# KiCad board Scan_Head_Set-Relay_board.kicad_pcb (continued)
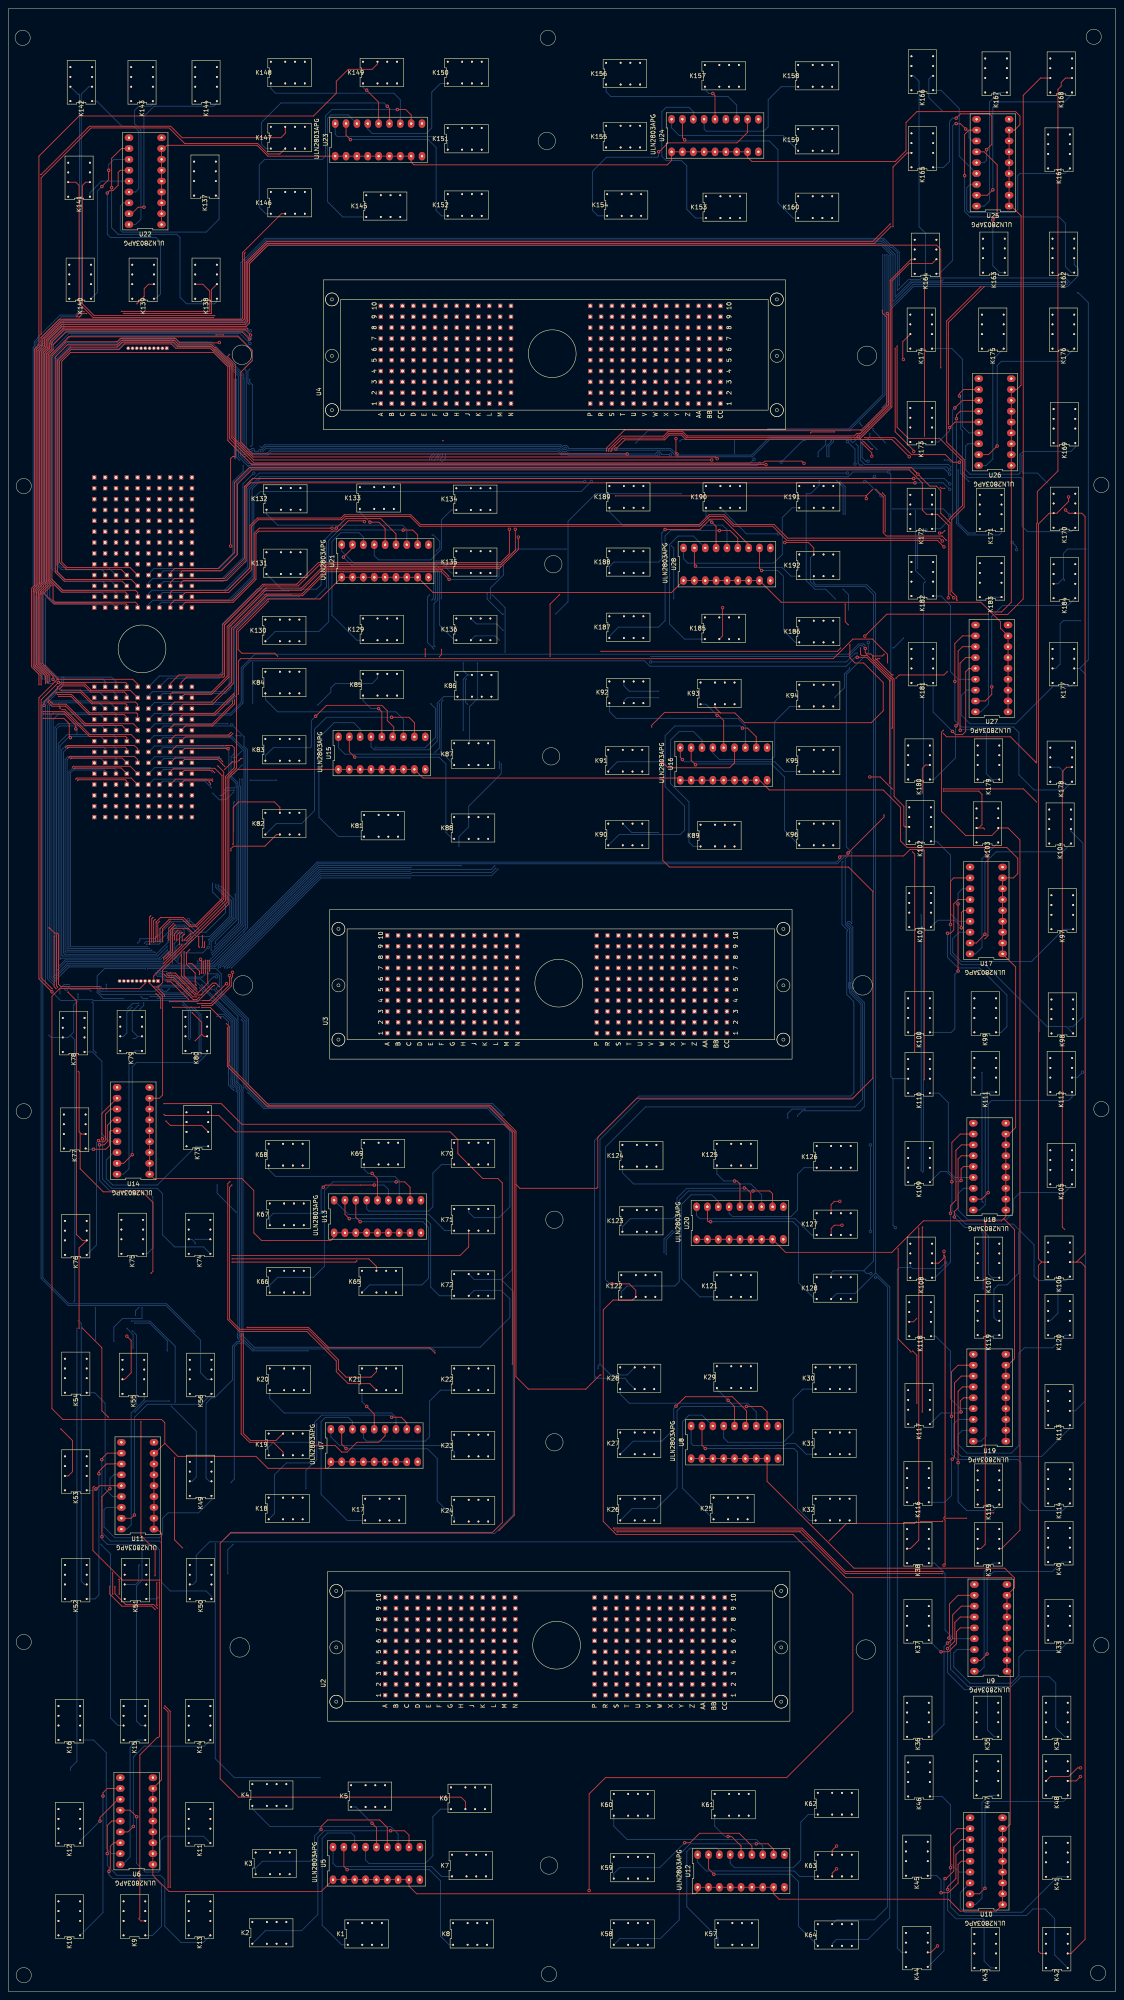
[diagram p0: board, top side]
## Routing (per net, layer and track width the routed paths; a pad name or vN(x,y) marks a point on that pad's centre or on a via; arc(x,y) is an arc through that point) (continued)
  Bottom w0.2: U1.R5 32.77,303.28 33.67,304.18 50.63,304.18 51.63,305.18 v2(51.63,319.62) ; v2(202.34,365.79) 202.34,365.35 v2(205.23,362.46) ; v2(213.55,192.09) 213.61,192.15 v2(213.61,251.97) ; v2(206.05,406.21) 206.05,371.41 201.3,366.65 ; v2(58.93,361.57) 59.2,361.3 59.28,361.3 59.93,361.95 129.29,361.95 129.71,361.53 130.01,361.83 130.59,361.83 131,361.42 131,361.1 155,361.1 156.54,359.56 173.91,359.56 178.17,363.81 196.8,363.81 197.39,363.22 197.87,363.22 201.3,366.65 ; 201.3,366.65 201.17,366.52 v2(201.17,366.27)
IO74: length 605.5
  Top w0.2: v4(200.15,362.71) 201.87,360.99 v4(202.18,360.99) ; v4(207.01,413) 207.01,426.97 210.31,430.28 K165.21
  +12V w0.2: v1(202.76,360.36) 202.76,360.42 v4(202.18,360.99) ; K37.21 211.33,85.6 212.09,86.36 212.09,191.97 v1(212.9,192.79) ; v1(57.85,356.43) 57.85,354.84 v1(57.59,354.58) ; v1(199.58,363.72) 199.58,363.28 v4(200.15,362.71) ; v4(207.01,413) 207.01,395.22 204.96,393.17 204.96,392.39 205.49,391.86 205.49,371.86 199.12,365.49 v1(198.88,365.49) 196.9,365.49 195.32,363.91 159.5,363.91 158.5,364.91 128.83,364.91 128.12,364.21 128.12,364.15 125.96,361.99 62.79,361.99 v1(62.74,362.04)
  AGND w0.2: 209.3,252.73 209.3,229.11 209.8,228.6 211.58,228.6 212.9,227.28 v1(212.9,192.79) ; 209.3,252.73 209.04,252.98 209.04,355.15 205.65,358.54 203.2,358.54 202.76,358.98 v1(202.76,360.36) ; 209.3,252.73 209.55,252.48 K101.21 ; v1(198.88,365.49) 198.88,364.42 v1(199.58,363.72) ; v2(66.21,326.9) 67.82,326.9 72.94,332.02 72.94,341.45 71.06,343.33 58.67,343.33 57.49,344.51 57.49,354.35 57.59,354.45 v1(57.59,354.58) ; v1(57.85,356.43) 60.13,358.71 60.13,359.43 v1(62.74,362.04)
  Bottom w0.2: U1.R4 35.31,303.02 36.07,303.78 50.8,303.78 52.07,305.05 52.07,319.53 59.44,326.9 v2(66.21,326.9)
IO75: length 588.4
  Top w0.2: v4(114.74,333.51) 73.61,333.51 68.52,328.42 60.2,328.42 60.17,328.45 51.16,319.44 51.16,307.76 47.44,304.04 38.35,304.04 37.85,303.53 U1.R3
  +12V w0.2: 205.74,364.74 206.36,365.36 206.36,392.28 v1(206.76,392.68) ; 205.74,364.74 205.12,364.12 200.41,364.12 199.48,365.04 197.02,365.04 195.49,363.51 159.26,363.51 v1(158.9,363.87) ; 205.74,364.74 205.74,363.69 v1(206.29,363.14) ; v1(228.85,325.06) 229.62,324.3 229.62,322.66 229.6,322.66 229.49,322.78 229.12,322.78 228.85,322.51 228.85,322.14 229.12,321.88 229.19,321.88 229.2,321.86 229.62,321.86 229.62,305.79 229.42,305.6 229.42,305.02 229.62,304.83 229.62,286.82 229.24,286.45 229.24,229.74 K99.11 230.12,226.82 230.12,64.52 K35.11 ; v4(114.74,333.51) 114.74,334.71 120.61,340.58 127.45,340.58 138.07,351.2 138.07,354.58 140.3,356.82 v1(140.9,356.82) ; v1(141.48,359.92) 141.48,358.14 v1(141.22,357.89)
  AGND w0.2: v1(140.9,356.82) 140.9,357.56 v1(141.22,357.89) ; v1(206.29,363.14) 209.51,359.92 217.48,359.92 v2(219.01,358.39) ; K163.11 226.57,399.03 212.6,399.03 206.76,393.19 v1(206.76,392.68) ; v1(141.48,359.92) 141.69,359.7 146.37,359.7 146.37,359.89 146.78,360.3 148.85,360.3 150.93,362.38 156.64,362.38 157.06,362.8 v6(157.11,362.8) ; v2(226.26,341.32) 226.53,341.32 228.48,339.37 228.48,338.92 228.85,338.54 v1(228.85,325.06) ; v2(220.53,357.89) 220.54,357.89 v2(222.32,356.11)
  Bottom w0.2: v2(222.32,356.11) 222.27,356.06 222.27,343.7 224.65,341.32 v2(226.26,341.32) ; v2(219.01,358.39) 220.02,358.39 v2(220.53,357.89) ; v6(157.11,362.8) 157.53,363.22 158.24,363.22 v1(158.9,363.87)
IO76: length 615.9
  Top w0.2: v11(119.32,340.36) 119.32,337.45 115.37,333.5 115.19,333.5 115.19,333.32 114.93,333.06 114.56,333.06 114.51,333.11 73.77,333.11 68.58,327.91 60.2,327.91 51.56,319.28 51.56,307.59 47.54,303.57 41.19,303.57 U1.R2 ; v9(205.66,392.68) 205.96,392.38 205.96,371.17 199.42,364.64 ; 199.42,364.64 199.38,364.59 v4(199.23,364.59) ; 199.42,364.64 198.58,364.64 197.98,364.04 158.81,364.04 157.81,365.04 154.35,365.04 153.3,363.98 143.51,363.98 140.47,360.95 v4(140.47,360.48) ; v5(222.57,357.89) 221.04,357.89 219.26,359.66 211.33,359.66 207.37,363.62 200.46,363.62 v4(200.41,363.67)
  +12V w0.2: v1(140.01,358.05) 140.01,358.51 140.56,359.06 140.47,359.14 v4(140.47,360.48) ; v1(138.94,356.27) 138.94,356.11 137.67,354.84 137.67,351.36 127.28,340.98 119.93,340.98 v11(119.32,340.36) ; v4(200.41,363.67) 200.29,363.67 199.37,364.59 v4(199.23,364.59) ; v1(227.58,213.42) 227.58,227.08 226.82,227.84 K99.21
  AGND w0.2: v1(227.58,213.42) 227.58,177.93 v2(227.9,177.61) ; v1(140.01,358.05) 139.96,358.1 139.64,358.1 139.56,358.02 139.56,356.89 v1(138.94,356.27) ; v2(228.09,164.4) 228.09,63.75 227.33,62.99 K35.21 ; v2(224.79,353.37) 224.84,353.42 235.86,353.42 237.13,352.15 237.13,339.69 235.23,337.79 235.23,326.11 233.34,324.21 223.18,324.21 221.13,322.16 221.13,307.59 221.46,307.59 222.19,306.87 222.19,298.64 221.52,297.97 223.86,295.63 223.86,294.41 221.13,291.68 221.13,252.73 222.76,251.1 222.76,249.68 223.45,249.68 223.69,249.44 223.69,247.63 222.86,246.8 222.84,246.8 221.49,245.44 221.49,228.35 222,227.84 K99.21 ; K163.21 227.33,405.64 221.49,399.8 212.34,399.8 205.66,393.11 v9(205.66,392.68)
  Bottom w0.2: v2(228.09,164.4) 228.09,177.42 v2(227.9,177.61) ; v5(222.57,357.89) 222.87,357.59 222.87,355.3 v2(224.79,353.37)
IO77: length 574.3
  Top w0.2: v9(210.82,359.16) 206.76,363.22 199.39,363.22 199.26,363.35 ; K164.11 216.15,404.37 210.82,404.37 206.76,400.3 206.76,370.84 199.26,363.35 ; U1.P2 40.39,306.32 41.66,307.59 50.29,307.59 50.55,307.85 50.55,319.79 59.69,328.93 67.82,328.93 72.9,334.01 115.32,334.01 118.62,337.31 v11(118.62,342.2) ; 199.26,363.35 199.14,363.22 158.5,363.22 157.48,364.24 154.69,364.24 153.57,363.12 144.25,363.12 v11(142.12,361)
  +12V w0.2: v11(142.12,361) 142.06,360.93 138.18,360.93 136.65,359.41 v10(136.65,358.2) ; v10(136.35,355.54) 136.65,355.24 136.65,351.48 127.37,342.2 v11(118.62,342.2)
  AGND w0.2: 216.92,227.84 218.19,229.11 218.19,326.39 219.06,327.26 219.06,353.71 213.61,359.16 v9(210.82,359.16) ; 216.92,227.84 218.27,226.48 218.27,195.07 216.75,193.55 214.38,193.55 212.85,192.02 212.85,64.26 214.12,62.99 K36.11 ; 216.92,227.84 K100.11 ; v10(136.65,358.2) 136.65,355.84 v10(136.35,355.54)
IO78: length 558.6
  Top w0.2: v4(199.64,362.46) 202.04,360.06 v9(202.04,359.3) ; 141.22,360.93 141.22,360.68 v4(140.97,360.43) ; U1.P3 37.85,306.07 39.88,308.1 50.04,308.1 50.15,308.21 50.15,319.95 59.52,329.33 67.46,329.33 72.54,334.41 115.15,334.41 117.22,336.48 v11(117.22,342.2) ; 199.11,363.76 198.97,363.62 158.66,363.62 157.65,364.64 154.52,364.64 153.41,363.52 144.08,363.52 144.04,363.47 143.69,363.47 141.91,361.7 141.83,361.7 141.22,361.09 141.22,360.83 ; 199.11,363.76 198.92,363.94 v11(198.87,363.94) ; 199.11,363.76 206.36,371.01 206.36,400.47 211.27,405.38 K164.21
  +12V w0.2: v11(117.22,342.2) 117.22,342.52 117.35,342.65 117.35,342.75 130.19,355.6 134.62,355.6 v10(135.13,355.09) ; v1(140.46,357.83) 140.46,358.39 140.97,358.9 v4(140.97,360.43) ; v11(198.87,363.94) 198.87,363.24 v4(199.64,362.46)
  AGND w0.2: v9(202.04,359.3) 202.04,359.04 202.95,358.14 205.49,358.14 208.53,355.09 208.53,228.35 209.04,227.84 K100.21 211.58,227.84 212.45,226.97 212.45,64.41 212.34,64.3 212.34,64.26 211.07,62.99 K36.21 ; v1(140.46,357.83) 140.46,356.93 138.37,354.84 135.38,354.84 v10(135.13,355.09)
IO79: length 675.7
  AGND w0.2: 248.67,227.58 247.9,228.35 247.9,346.23 248.8,347.12 248.8,351.91 245.66,355.05 222.32,355.05 220.56,356.8 v2(220.53,356.8) ; 248.67,227.58 K98.11 ; 248.67,227.58 247.16,226.08 247.16,63.23 247.4,62.99 K34.11 ; v2(65.53,327.72) 65.56,327.75 67.54,327.75 72.14,332.35 72.14,341.12 70.87,342.39 58.42,342.39 56.03,344.79 56.03,354.37 56.31,354.65 56.31,355.36 56.17,355.49 56.17,357.69 v2(58.93,360.45)
  Bottom w0.2: K162.11 249.43,404.11 250.44,403.1 250.44,401.57 247.9,399.03 211.84,399.03 206.5,393.7 206.5,370.59 199.39,363.47 ; v2(220.53,356.8) 220.53,356.81 219.96,357.38 200.41,357.38 199.39,358.39 199.39,363.47 ; 199.39,363.47 198.69,363.47 197.78,362.57 197.45,362.57 197.21,362.8 197.21,362.83 196.63,363.41 178.33,363.41 174.08,359.16 156.38,359.16 154.83,360.7 130.87,360.7 130.59,360.43 129.68,360.43 128.96,361.15 60.26,361.15 59.61,360.5 58.98,360.5 v2(58.93,360.45) ; v2(65.53,327.72) 65.48,327.77 58.53,327.77 50.55,319.79 50.55,308.61 49.28,307.34 37.34,307.34 U1.P4
IO80: length 666.5
  +12V w0.2: v1(144.02,362.2) 138.31,362.2 135.98,359.87 135.55,359.87 134.17,358.49 v1(134.17,358.45) ; v1(134.11,356.93) 134.1,356.93 134.04,356.87 87.63,356.87 87.52,356.98 57.51,356.98 57.09,356.56 v1(57.09,354.58)
  AGND w0.2: v1(134.11,356.93) 134.17,356.98 v1(134.17,358.45) ; v2(60.45,328.22) 61.4,327.27 65.95,327.27 66.03,327.35 66.4,327.35 66.45,327.3 67.65,327.3 72.54,332.18 72.54,341.29 70.89,342.93 58.45,342.93 57.09,344.29 v1(57.09,354.58) ; v2(237.18,359.41) 237.18,398.33 235.97,399.54 ; 235.97,399.54 242.06,405.64 K162.21 ; 235.97,399.54 228.85,399.54 225.3,395.99 225.3,386.9 221.32,382.92 211.67,382.92 208.64,379.9 208.64,371.01 199.32,361.68 160.46,361.68 158.02,364.11 157.44,364.11 157.03,363.7 157.03,363.36 156.68,363.01 144.83,363.01 v1(144.02,362.2) ; K34.21 243.33,62.99 246.76,66.42 246.76,161.64 245.62,162.78 245.62,165.35 245.55,165.35 245.17,165.73 245.17,166.11 245.22,166.16 245.22,227.18 245.62,227.58 ; v2(243.08,353.06) 245.81,353.06 245.87,353 245.87,341.29 246.02,341.14 246.02,252.56 245.87,252.42 245.87,227.58 245.62,227.58 ; K98.21 245.62,227.58
  Bottom w0.2: U1.P5 35.31,307.85 49.02,307.85 50.04,308.86 50.04,320.04 58.22,328.22 v2(60.45,328.22) ; v2(243.08,353.06) 240.79,355.35 237.49,355.35 237.18,355.66 v2(237.18,359.41)
IO81: length 590.5
  +12V w0.2: K175.11 231.9,386.84 224.28,386.84 217.45,380.01 217.45,373.15 v10(217.44,373.14) ; v3(204.22,350.01) 204.22,343.92 208.03,340.11 215.9,340.11 219.26,336.74 219.26,254.19 222.29,251.17 222.29,248.62 v10(222.99,247.92) ; v3(200.41,353.38) 200.15,353.63 200.15,360.65 v10(200.15,360.65) ; v10(143.51,357.5) 143.51,359.53 144.85,360.88 150.38,360.88 v10(150.74,360.52)
  AGND w0.2: v10(222.99,247.92) 222.69,247.62 222.69,247.21 221.02,245.54 221.02,215.61 222,214.63 230.38,214.63 K111.11 231.14,212.6 237.74,205.99 237.74,167.64 233.93,163.83 235.71,162.05 235.71,52.83 232.16,49.28 K47.11 ; 199.74,360.3 200.1,360.65 v10(200.15,360.65) ; 199.74,360.3 150.95,360.3 v10(150.74,360.52) ; 199.74,360.3 209.55,370.11 209.55,372.87 210.17,373.49 217.09,373.49 v10(217.44,373.14) ; v12(134.87,353.38) 135.57,352.68 138.68,352.68 v10(143.51,357.5)
  Bottom w0.2: v3(200.41,353.38) 200.85,353.38 v3(204.22,350.01) ; U1.N5 32.77,324.61 33.74,325.59 51.47,325.59 57,331.13 57,351.59 58.79,353.38 v12(134.87,353.38)
IO82: length 627.8
  +12V w0.2: v10(142.53,357.68) 142.53,359.12 143.26,359.85 143.26,361.19 143.35,361.28 v10(151.38,361.28) ; v10(220.16,353.8) 219.71,354.24 219.71,363.22 v10(219.96,363.47)
  AGND w0.2: v10(151.38,361.28) 199.48,361.28 209.04,370.84 209.04,373.89 ; v10(219.96,363.47) 219.2,364.24 219.2,372.36 217.68,373.89 209.04,373.89 ; 209.04,373.89 209.04,379.73 211.84,382.52 221.49,382.52 226.82,387.86 K175.21 ; v12(136.4,353.38) 138.24,353.38 142.53,357.67 v10(142.53,357.68) ; v10(220.16,353.8) 220.28,353.8 220.87,353.21 224.19,353.21 224.85,352.55 235.97,352.55 236.73,351.79 236.73,339.85 234.7,337.82 234.7,326.14 233.17,324.61 223.01,324.61 220.73,322.33 220.73,306.35 220.98,306.1 220.98,297.94 223.46,295.46 223.46,294.58 220.73,291.85 220.73,252.34 222.29,250.78 222.29,247.38 220.62,245.71 220.62,214.99 221.74,213.87 K111.21 229.11,213.87 237.24,205.74 237.24,167.89 234.19,164.85 225.3,164.85 223.65,163.2 223.65,49.91 224.28,49.28 K47.21
  Bottom w0.2: U1.N4 35.31,324.61 35.81,325.12 51.56,325.12 57.4,330.96 57.4,349.5 58.93,351.03 134.05,351.03 v12(136.4,353.38)
IO83: length 626.1
  Top w0.2: K48.11 249.87,49.28 v11(250.89,50.29) ; v11(75.71,342.45) 58.68,342.45 57.5,341.28 57.5,330.61 52.48,325.59 38.82,325.59 37.85,324.61 U1.N3
  +12V w0.2: v11(250.89,50.29) 253.24,52.64 253.24,214.12 251.81,215.55 ; v11(75.71,342.45) 77.42,344.17 82.61,344.17 82.61,344.27 83.02,344.68 83.45,344.68 84.1,345.33 94.91,345.33 98.46,341.78 115.8,341.78 130.32,356.3 134.48,356.3 v10(134.78,356.6) ; v10(134.87,358.2) 138.37,361.7 144.49,361.7 144.77,361.98 205.77,361.98 206.76,362.97 206.76,383.03 209.55,385.83 209.55,394.72 213.36,398.53 244.6,398.53 247.14,395.99 247.14,389.64 248.92,387.86 K176.11 250.19,387.86 252.22,385.83 252.22,215.96 251.81,215.55 ; 251.81,215.55 v3(251.4,215.14)
  AGND w0.2: v10(134.78,356.6) 134.87,356.69 v10(134.87,358.2)
  Bottom w0.2: v3(251.4,215.14) 250.13,213.87 K112.11
IO84: length 632
  Top w0.2: U1.N2 40.39,324.1 41.4,325.12 52.58,325.12 57.91,330.45 57.91,341.12 58.54,341.75 77.09,341.75 79.5,344.17 83.12,344.17 v11(83.31,343.98) ; v11(250.89,52.32) 250.19,52.32 248.16,50.29 243.84,50.29 K48.21
  +12V w0.2: v10(137.81,355.97) 137.05,355.21 137.05,351.31 127.12,341.38 98.3,341.38 94.74,344.93 84.27,344.93 v11(83.31,343.98) ; v11(250.89,52.32) 252.73,54.16 252.73,213.87 251.92,214.67 251.69,214.44 251.11,214.44 250.7,214.85 250.7,215.43 250.93,215.66 250.7,215.9 ; 250.7,215.9 249.94,215.14 245.11,215.14 K112.21 ; 250.7,215.9 251.71,216.92 251.71,385.57 250.95,386.33 248.16,386.33 246.63,387.86 K176.21 243.08,387.86 242.06,388.87 242.06,394.21 238.25,398.02 215.65,398.02 214.38,396.75 214.38,389.64 207.26,382.52 207.26,362.71 205.99,361.44 152.65,361.44 149.41,358.2 v10(148.84,358.2)
  AGND w0.2: v10(137.81,355.97) 137.81,356.84 139.48,358.5 148.54,358.5 v10(148.84,358.2)
IO85: length 580.9
  Top w0.2: U1.M2 41.4,327.41 51.56,327.41 56.9,332.74 56.9,342.9 58.42,344.42 77.98,344.42 78.74,345.19 93.98,345.19 96.27,342.9 161.8,342.9 164.08,345.19 167.39,345.19 169.67,342.9 178.85,342.9 182.15,339.6 217.42,339.6 v11(218.95,338.07)
  +12V w0.2: 247.65,192.28 K105.11 ; 247.65,192.28 246.89,193.04 246.89,203.96 237.49,213.36 237.49,340.61 ; 247.65,192.28 247.65,179.07 252.33,174.39 252.33,54.33 251.02,53.02 250.6,53.02 250.19,52.61 250.19,52.03 250.6,51.62 251.18,51.62 251.59,52.03 251.59,52.46 252.48,53.34 252.48,52.44 251.02,50.99 250.6,50.99 250.19,50.58 250.19,50 250.6,49.59 251.18,49.59 251.59,50 251.59,50.43 252.48,51.31 252.48,33.78 248.92,30.23 K41.11 ; 237.49,340.61 240.28,343.41 240.28,355.6 245.11,360.43 247.14,360.43 247.65,360.93 247.65,365 248.41,365.76 K169.11 ; 237.49,340.61 234.95,338.07 v11(218.95,338.07)
IO86: length 578.7
  Top w0.2: U1.M3 37.85,327.41 38.35,327.91 51.31,327.91 56.5,333.1 56.5,343.07 58.25,344.82 77.81,344.82 78.57,345.59 94.15,345.59 96.42,343.31 161.64,343.31 163.92,345.59 167.55,345.59 169.84,343.3 179.18,343.3 182.37,340.11 217.91,340.11 v11(218.55,339.46)
  +12V w0.2: v3(234.96,339.08) 234.75,338.86 234.75,338.53 ; K41.21 244.09,30.23 245.62,31.75 245.62,36.83 246.38,37.59 251.21,37.59 252.08,38.46 252.08,50.35 251.99,50.26 251.99,49.84 251.35,49.19 250.43,49.19 249.79,49.84 249.79,50.75 250.35,51.31 249.79,51.87 249.79,52.78 250.43,53.42 250.86,53.42 251.93,54.5 251.93,174.22 246.63,179.52 246.63,191.01 245.36,192.28 K105.21 242.06,194.06 242.06,206.76 236.47,212.34 236.47,336.04 235.93,336.58 v3(235.93,337.42) ; 234.75,338.53 239.78,343.55 239.78,362.71 242.82,365.76 K169.21 ; 234.75,338.53 234.7,338.47 219.54,338.47 v11(218.55,339.46)
  Bottom w0.2: v3(235.93,337.42) 235.93,338.11 v3(234.96,339.08)
IO87: length 552.9
  +12V w0.2: 203.45,357.38 207.77,361.7 207.77,381.25 209.55,383.03 213.61,383.03 214.63,384.05 214.63,387.1 215.39,387.86 K174.11 ; 203.45,357.38 202.69,356.62 v3(202.69,354.58) ; 203.45,357.38 203.45,337.82 204.47,336.8 204.47,221.49 205.49,220.47 212.6,220.47 214.38,218.69 214.38,214.38 215.14,213.61 K110.11 217.42,213.61 218.19,212.85 218.19,80.52 217.42,79.76 217.42,50.29 216.15,49.02 K46.11
  Bottom w0.2: U1.M4 35.31,326.64 36.07,327.41 50.55,327.41 56.39,333.25 56.39,351.54 58.93,354.08 202.18,354.08 v3(202.69,354.58)
IO88: length 543.4
  Top w0.2: K174.21 209.3,386.08 209.3,382.08 v11(209.44,381.93)
  +12V w0.2: v11(209.44,381.93) 209.21,381.93 208.28,381 208.28,361.64 205.99,359.35 v3(205.99,355.6) ; K46.21 210.06,49.02 208.79,50.29 208.79,177.52 v3(207.55,178.75)
  Bottom w0.2: 207.01,213.61 207.01,179.32 207.55,178.78 v3(207.55,178.75) ; 207.01,213.61 K110.21 ; 207.01,213.61 206.5,214.12 206.5,355.09 v3(205.99,355.6) 197.61,355.6 196.49,354.48 58.76,354.48 55.99,351.7 55.99,333.41 50.49,327.91 33.53,327.91 32.77,327.15 U1.M5
IO89: length 553.2
  AGND w0.2: 216.66,192.79 218.67,194.8 218.67,325.86 219.46,326.64 219.46,362.71 K173.11 215.14,367.03 207.52,367.03 200.15,359.66 174.24,359.66 173.48,358.9 60.96,358.9 v12(57.4,355.35) ; 216.66,192.79 218.67,190.78 218.67,173.93 218.66,173.93 218.25,173.52 218.25,172.94 218.44,172.75 218.44,100.24 217.55,99.35 217.55,79.21 217.96,78.8 218.54,78.8 218.55,78.81 218.55,33.38 215.65,30.48 K45.11 ; 216.66,192.79 K109.11
  Bottom w0.2: U1.L5 32.77,329.69 33.74,330.67 50,330.67 54.86,335.53 54.86,352.81 v12(57.4,355.35)
IO90: length 541.3
  AGND w0.2: v12(196.34,355.35) 197.1,355.35 ; 197.1,355.35 201.93,355.35 202.61,356.03 202.61,357.74 201.34,359.01 201.34,359.59 207.77,366.01 K173.21 ; 197.1,355.35 202.92,355.35 203.39,354.87 203.39,354.65 208.03,350.01 208.03,193.8 208.53,193.29 ; 208.53,193.29 209.04,192.79 K109.21 ; 208.53,193.29 208.53,31.24 209.3,30.48 K45.21
  Bottom w0.2: U1.L4 36.32,329.95 50.29,329.95 55.37,335.03 55.37,352.04 58.67,355.35 v12(196.34,355.35)
IO91: length 221.1
  Top w0.2: v5(211.84,354.08) 57.09,354.08 55.23,352.21 55.23,335.39 50.51,330.67 38.82,330.67 37.85,329.69 U1.L3
  AGND w0.2: v12(220.28,352.81) 224.03,352.81 226.31,350.52 226.31,346.46 231.14,346.46 231.9,345.69 K171.11
  Bottom w0.2: v5(211.84,354.08) 219.01,354.08 v12(220.28,352.81)
IO92: length 562.8
  Top w0.2: U1.L2 40.39,329.69 40.89,330.2 51.05,330.2 55.63,334.77 55.63,352.04 56.64,353.06 v5(212.15,353.06)
  AGND w0.2: 225.81,345.95 226.06,345.69 K171.21 ; 225.81,345.95 225.55,346.2 225.55,350.27 224.28,351.54 v12(220.28,351.54) ; 225.81,345.95 225.81,329.72 220.23,324.14 220.23,252.27 221.89,250.61 221.89,247.54 220.22,245.87 220.22,191.26 223.52,187.96 223.52,171.45 224.03,170.94 ; K107.21 224.54,170.43 224.03,170.94 ; 224.03,170.94 222.5,169.42 222.5,136.18 222.25,135.93 222.25,135.35 222.5,135.09 222.5,124.46 221.96,124.46 221.55,124.05 221.55,123.47 221.96,123.06 222.25,123.06 222.25,11.18 224.54,8.89 K43.21
  Bottom w0.2: v12(220.28,351.54) 218.76,353.06 v5(212.15,353.06)
IO93: length 549.7
  Top w0.2: K44.11 215.9,9.14 v9(217.42,10.67) ; U1.K2 40.39,332.23 40.64,332.49 49.78,332.49 53.59,336.3 53.59,352.81 56.9,356.11 210.82,356.11 213.87,353.06 213.87,346.71 214.88,345.69 K172.11 217.42,345.69 219.96,343.15 v9(219.96,326.14) ; v9(218.95,99.76) 219.2,100.01 219.2,110.3 218.95,110.56 218.95,110.93 219.2,111.18 219.2,171.96 218.95,172.21 ; v9(218.95,173.23) 218.95,172.21 ; 218.95,172.21 218.95,171.7 217.68,170.43 K108.11
  AGND w0.2: v9(218.95,173.23) 219.07,173.35 219.07,325.24 v9(219.96,326.14) ; v9(217.42,10.67) 217.42,25.91 218.95,27.43 v9(218.95,99.76)
IO94: length 573.4
  Top w0.2: 211.96,355.98 v9(212.85,355.09) ; 211.96,355.98 211.33,356.62 56.39,356.62 52.83,353.06 52.83,336.8 49.02,332.99 38.86,332.99 37.85,331.98 U1.K3 ; 211.96,355.98 215.65,352.3 217.17,352.3 218.19,351.28 218.19,345.95 220.36,343.77 220.36,327.01 v9(221.23,326.14)
  AGND w0.2: v9(212.85,355.09) 212.85,346.46 212.09,345.69 K172.21 ; v12(219.34,170.55) 219.71,170.92 219.71,246.13 221.49,247.9 221.49,250.44 219.71,252.22 219.71,324.61 v9(221.23,326.14)
  Bottom w0.2: 211.07,169.67 K108.21 ; 211.07,169.67 211.58,169.16 217.96,169.16 v12(219.34,170.55) ; 211.07,169.67 210.82,169.42 208.53,169.42 208.03,168.91 208.03,10.16 209.04,9.14 K44.21
IO95: length 586.8
  Top w0.2: 249.94,170.69 250.95,170.69 251.97,169.67 251.97,12.19 248.67,8.89 K42.11 ; 249.94,170.69 251.97,172.72 251.97,345.19 251.21,345.95 K170.11 248.16,345.95 v9(247.4,346.71) ; 249.94,170.69 K106.11
  AGND w0.2: v9(247.4,346.71) 247.4,352.04 245.62,353.82 221.55,353.82 v12(220.28,355.09)
  Bottom w0.2: U1.K4 36.32,332.49 49.53,332.49 53.34,336.3 53.34,353.06 56.64,356.36 219.01,356.36 v12(220.28,355.09)
IO96: length 588.3
  Top w0.2: 241.81,170.69 241.05,169.93 241.05,9.4 241.55,8.89 K42.21 ; 241.81,170.69 241.05,171.45 241.05,343.41 243.59,345.95 K170.21 245.36,345.95 248.1,348.68 v9(248.1,349.76) ; 241.81,170.69 K106.21
  AGND w0.2: v12(220.28,356.09) 222.15,354.22 245.78,354.22 248.1,351.91 v9(248.1,349.76)
  Bottom w0.2: v12(220.28,356.09) 219.61,356.76 56.48,356.76 52.94,353.23 52.94,336.66 49.28,332.99 34.04,332.99 32.77,331.72 U1.K5
IO97: length 633.3
  Top w0.2: U1.K6 28.49,333.21 13.75,333.21 12.45,334.52 12.45,381.51 14.48,383.54 48.01,383.54 51.31,380.24 51.31,362.97 56.96,357.32 v9(177.29,357.32) ; v9(195.07,179.32) 193.29,179.32 192.53,178.56 K127.11 ; K63.11 192.79,27.69 v9(193.8,28.7)
  AGND w0.2: 201.68,181.1 203.45,182.88 203.45,345.69 199.39,349.76 188.98,349.76 187.83,348.61 ; 201.68,181.1 204.22,181.1 207.77,177.55 207.77,38.1 198.88,29.21 194.31,29.21 v9(193.8,28.7) ; 201.68,181.1 199.9,179.32 v9(195.07,179.32) ; 187.83,348.61 186.94,349.5 180.09,349.5 178.05,351.54 178.05,356.55 v9(177.29,357.32) ; 187.83,348.61 188.47,347.98 K191.11
IO98: length 663
  Top w0.2: K63.21 192.79,33.02 v9(193.8,34.04) ; v9(186.18,357.63) 185.67,358.14 177.04,358.14 176.61,357.72 57.4,357.72 51.71,363.41 51.71,380.4 48.17,383.94 47.86,383.94 47.24,384.56 39.12,384.56 38.1,385.57 27.18,385.57 25.84,384.23 14.6,384.23 11.94,381.57 11.94,334.46 13.66,332.74 26.42,332.74 U1.K7 ; v9(194.56,184.91) 193.29,184.91 192.53,184.15 K127.21
  AGND w0.2: K127.21 192.53,179.83 193.8,178.56 205.23,178.56 206.76,177.04 206.76,38.1 203.45,34.8 194.56,34.8 v9(193.8,34.04) ; 187.45,356.36 188.47,355.35 K191.21 ; 187.45,356.36 187.45,357.38 186.18,358.65 177.63,358.65 176.59,357.61 176.59,349.36 179.75,346.2 201.17,346.2 203.05,344.32 203.05,186.18 201.78,184.91 v9(194.56,184.91) ; 187.45,356.36 v9(186.18,357.63)
IO99: length 642.8
  AGND w0.2: v12(175.77,357.63) 175.77,349.25 182.37,342.65 182.37,335.28 183.64,334.01 187.2,334.01 188.47,332.74 K192.11
  Bottom w0.2: 202.95,168.15 202.95,327.15 200.91,329.18 188.98,329.18 188.47,329.69 K192.11 ; 202.95,168.15 198.12,163.32 193.8,163.32 K128.11 ; 202.95,168.15 206.25,164.85 206.25,17.27 201.17,12.19 193.8,12.19 192.79,11.18 K64.11 ; U1.K8 23.41,333.21 12.48,333.21 11.68,334.01 11.68,381.76 14.48,384.56 25.91,384.56 27.18,385.83 38.35,385.83 39.37,384.81 46.99,384.81 53.85,377.95 53.85,359.16 56.08,356.93 56.31,357.16 175.3,357.16 v12(175.77,357.63)
IO100: length 637.9
  Top w0.2: K192.21 188.47,337.82 187.2,339.09 v9(181.67,339.09)
  AGND w0.2: v12(174.5,358.59) 174.56,358.59 175.07,358.08 175.07,349.19 181.61,342.65 181.61,339.15 v9(181.67,339.09) ; v12(201.82,168.01) 202.68,167.15 v12(202.93,167.15)
  Bottom w0.2: v12(174.5,358.59) 173.47,357.56 56.14,357.56 56.12,357.54 54.25,359.41 54.25,378.12 47.16,385.21 39.54,385.21 38.52,386.23 27.01,386.23 25.88,385.09 14.25,385.09 11.28,382.12 11.28,333.84 12.39,332.74 21.84,332.74 22.61,331.98 U1.K9 ; v12(202.93,167.15) 203.38,167.15 205.74,164.79 205.74,19.81 202.69,16.76 193.8,16.76 K64.21 ; 200.15,168.66 202.44,170.94 202.44,326.9 200.55,328.78 188.81,328.78 187.72,329.87 187.72,335.55 K192.21 ; 200.15,168.66 200.8,168.01 v12(201.82,168.01) ; 200.15,168.66 193.04,168.66 192.53,168.15 K128.21
IO101: length 700.9
  Top w0.2: K185.11 167.13,317.25 v11(167.13,323.85)
  +12V w0.2: K185.11 169.93,312.93 199.39,312.93 202.65,309.66 202.65,208.55 198.09,203.99 186.66,203.99 184.26,201.59 184.26,173.08 180.85,169.67 167.89,169.67 167.13,168.91 167.13,163.32 167.89,162.56 K121.11 169.16,160.53 169.42,160.27 180.7,160.27 185.27,155.7 185.27,108.04 196.54,96.77 200.09,96.77 203.2,93.67 203.2,65.02 183.9,45.72 183.9,21.34 181.61,19.05 170.69,19.05 167.64,16 167.64,12.19 168.91,10.92 K57.11 ; v11(167.13,323.85) 167.13,324.87 165.1,326.9 157.28,326.9 155.59,328.59 155.59,356.97 155.45,357.12 155.45,359.09 v3(154.94,359.6)
  Bottom w0.2: v3(154.94,359.6) 154.88,359.66 152.85,359.66 152.85,359.89 152.44,360.3 151.86,360.3 151.45,359.89 151.45,359.81 131.3,359.81 131.09,360.03 129.51,360.03 128.79,360.75 61.28,360.75 60.54,360 55.65,360 55.31,359.66 55.13,359.66 55.12,359.67 55.12,377.44 55.05,377.51 55.05,378.45 47.49,386.01 46.55,386.01 46.52,386.04 39.84,386.04 38.86,387.02 38.86,387.1 26.61,387.1 25.49,385.97 13.8,385.97 10.16,382.33 10.16,332.94 13.15,329.95 22.1,329.95 22.61,329.44 U1.L9
IO102: length 679.3
  +12V w0.2: K57.21 169.42,17.02 170.69,18.29 181.61,18.29 184.4,21.08 184.4,45.47 203.71,64.77 203.71,93.73 200.15,97.28 196.6,97.28 185.67,108.2 185.67,168.91 183.26,171.32 ; v3(152.15,359.6) 152.4,359.6 155.19,356.81 155.19,328.42 157.48,326.14 165.1,326.14 166.37,324.87 K185.21 166.37,320.29 166.88,319.79 172.72,319.79 178.56,313.94 199.9,313.94 203.05,310.79 203.05,208.39 198.12,203.45 186.69,203.45 184.66,201.42 184.66,172.72 183.26,171.32 ; 183.26,171.32 181.1,169.16 169.93,169.16 169.16,168.4 K121.21
  Bottom w0.2: U1.L8 23.62,330.45 13.21,330.45 10.67,332.99 10.67,382.27 13.97,385.57 25.65,385.57 26.71,386.63 38.69,386.63 39.7,385.61 47.32,385.61 54.65,378.28 54.65,359.58 54.96,359.26 55.48,359.26 55.82,359.6 60.7,359.6 61.45,360.35 128.62,360.35 129.35,359.63 130.92,359.63 131.14,359.41 151.95,359.41 v3(152.15,359.6)
